# Altium PCB PC104_M7_4L.PcbDoc (part 3 of 3)
Units mil, origin at the board's own origin, x right, y up, seen from the top; angles counter-clockwise.
Board outline 3550 x 3775.2 mil, 4 copper layers (Top Layer, Layer 1, Layer 2, Bottom Layer), stack 59.772 mil thick; 122 components, 127 nets, 614 pads, 468 vias.
Unrouted connection lines stored in the file: 7.
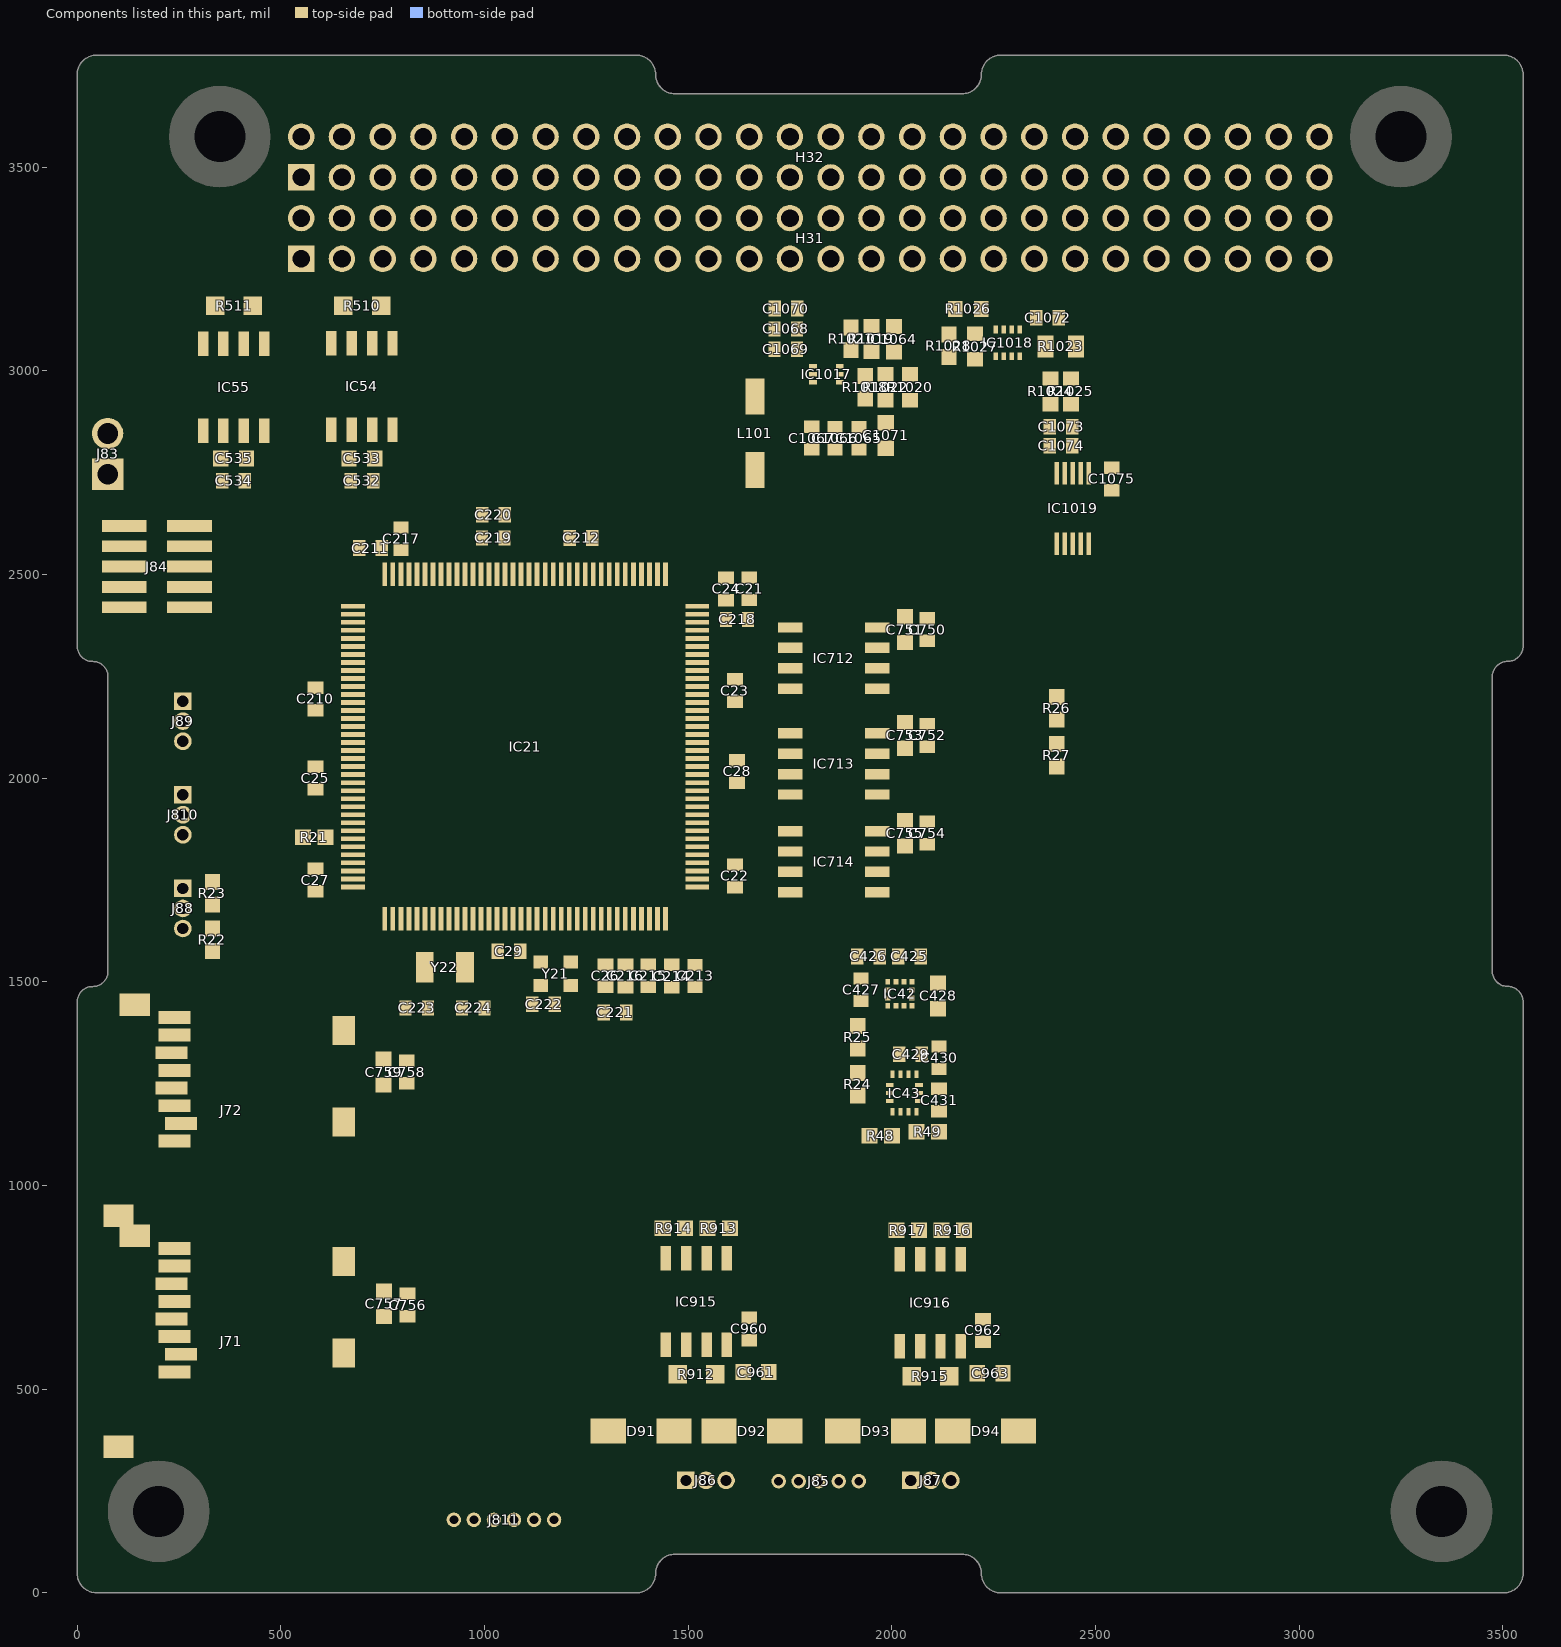
[diagram p5: the components of this part, seen from the top]

## Silkscreen, mask and mechanical layers (free items; w line width, h text height)
Top Overlay:
  drawing of 77 lines, arcs and shapes, not listed
  text "H2" at 59,3509 h60
  text "H1" at 59,3309 h60
  text "GND" at 316.04,2172.34 h40
  text "TX" at 316.04,2118.2 h40
  text "RX" at 316.04,2066.04 h40
  text "GND" at 316.04,1942.69 h40
  text "TX" at 316.04,1888.56 h40
  text "RX" at 316.04,1836.39 h40
  text "GND" at 375.09,1712.57 h40
  text "SCL" at 375.09,1658.43 h40
  text "SDA" at 375.09,1606.27 h40
  text "GND" at 1202.66,238.28 h40 r90
  text "CS1" at 919,236.55 h40 r90
  text "SCK" at 1040.09,235.94 h40 r90
  text "CS2" at 982.19,234.35 h40 r90
  text "MISO" at 1092.43,234.35 h40 r90
  text "MOSI" at 1147.54,234.35 h40 r90
Mechanical 1:
  lines w8: 755,1385 1045,1385 1045,1535 1010,1535 1010,1597.05 920.49,1597.05 920.49,1697.05 911.24,1697.05 892.74,1697.05 883.49,1697.05 883.49,1597.05 807.05,1597.05 755,1545 755,1385 ; 1060,1395 1265,1395 1265,1600 1220,1600 1220,1700 1175,1700 1175,1600 1110,1600 1110,1550 1060,1550 1060,1395
  lines w10: 0,47.24 ccw(c47.24,47.24) 47.24,0 1372.83,0 ccw(c1372.83,47.24) 1420.08,47.24 cw(c1467.32,47.24) 1467.32,94.49 2172.83,94.49 cw(c2172.83,47.24) 2220.08,47.24 ccw(c2267.32,47.24) 2267.32,0 3502.76,0 ccw(c3502.76,47.24) 3550,47.24 3550,1450.98 ccw(c3512.2,1450.98) 3512.2,1488.78 cw(c3512.2,1526.57) 3474.41,1526.57 3474.41,2249.02 cw(c3512.2,2249.02) 3512.2,2286.81 ccw(c3512.2,2324.61) 3550,2324.61 3550,3727.95 ccw(c3502.76,3727.95) 3502.76,3775.2 2267.32,3775.2 ccw(c2267.32,3727.95) 2220.08,3727.95 cw(c2172.83,3727.95) 2172.83,3680.71 1467.32,3680.71 cw(c1467.32,3727.95) 1420.08,3727.95 ccw(c1372.83,3727.95) 1372.83,3775.2 47.24,3775.2 ccw(c47.24,3727.95) 0,3727.95 0,2324.41 ccw(c37.8,2324.41) 37.8,2286.61 cw(c37.8,2248.82) 75.59,2248.82 75.59,1526.38 cw(c37.8,1526.38) 37.8,1488.58 ccw(c37.8,1450.79) 0,1450.79 0,47.24
Dimensions:
  circle w10: c200,200 r125
  circle w10: c200,200 r62.6
  circle w10: c3350,200 r62.6
  circle w10: c3350,200 r125
  circle w10: c3250,3575.2 r62.6
  circle w10: c3250,3575.2 r125
  circle w10: c350,3575.2 r62.6
  circle w10: c350,3575.2 r125
  lines w10: -999.41,1887.6 5233.46,1887.6 ; 0,200 3550,200 ; 0,1488.58 198.43,1488.58 ; 0,3275.2 3550,3275.2 ; 0,3475.2 3550,3475.2 ; 0,3575.2 3550,3575.2 ; 200,0 200,310.63 ; 350,3374.41 350,3775.2 ; 1775,-1087.99 1775,4766.54 ; 3250,3364.17 3250,3775.2 ; 3350,0 3350,359.06

## Dimensions
3550,0 to 3550,3775.2 on Dimensions
0,0 to 0,3475.2 on Dimensions
0,0 to 0,3275.2 on Dimensions
0,0 to 3550,0 on Dimensions
0,3775.2 to 550,3441.73 on Dimensions
0,0 to 200,0 on Dimensions
0,3575.2 to 350,3374.41 on Dimensions
0,47.24 to 1420.08,118.9 on Dimensions
0,47.24 to 75.59,46.46 on Dimensions
0,3727.95 to 1420.08,3727.95 on Dimensions
0,3727.95 to 2220.08,3690.55 on Dimensions